# Altium PCB UHF Transceiver PCB.PcbDoc (part 1 of 5) (continued)
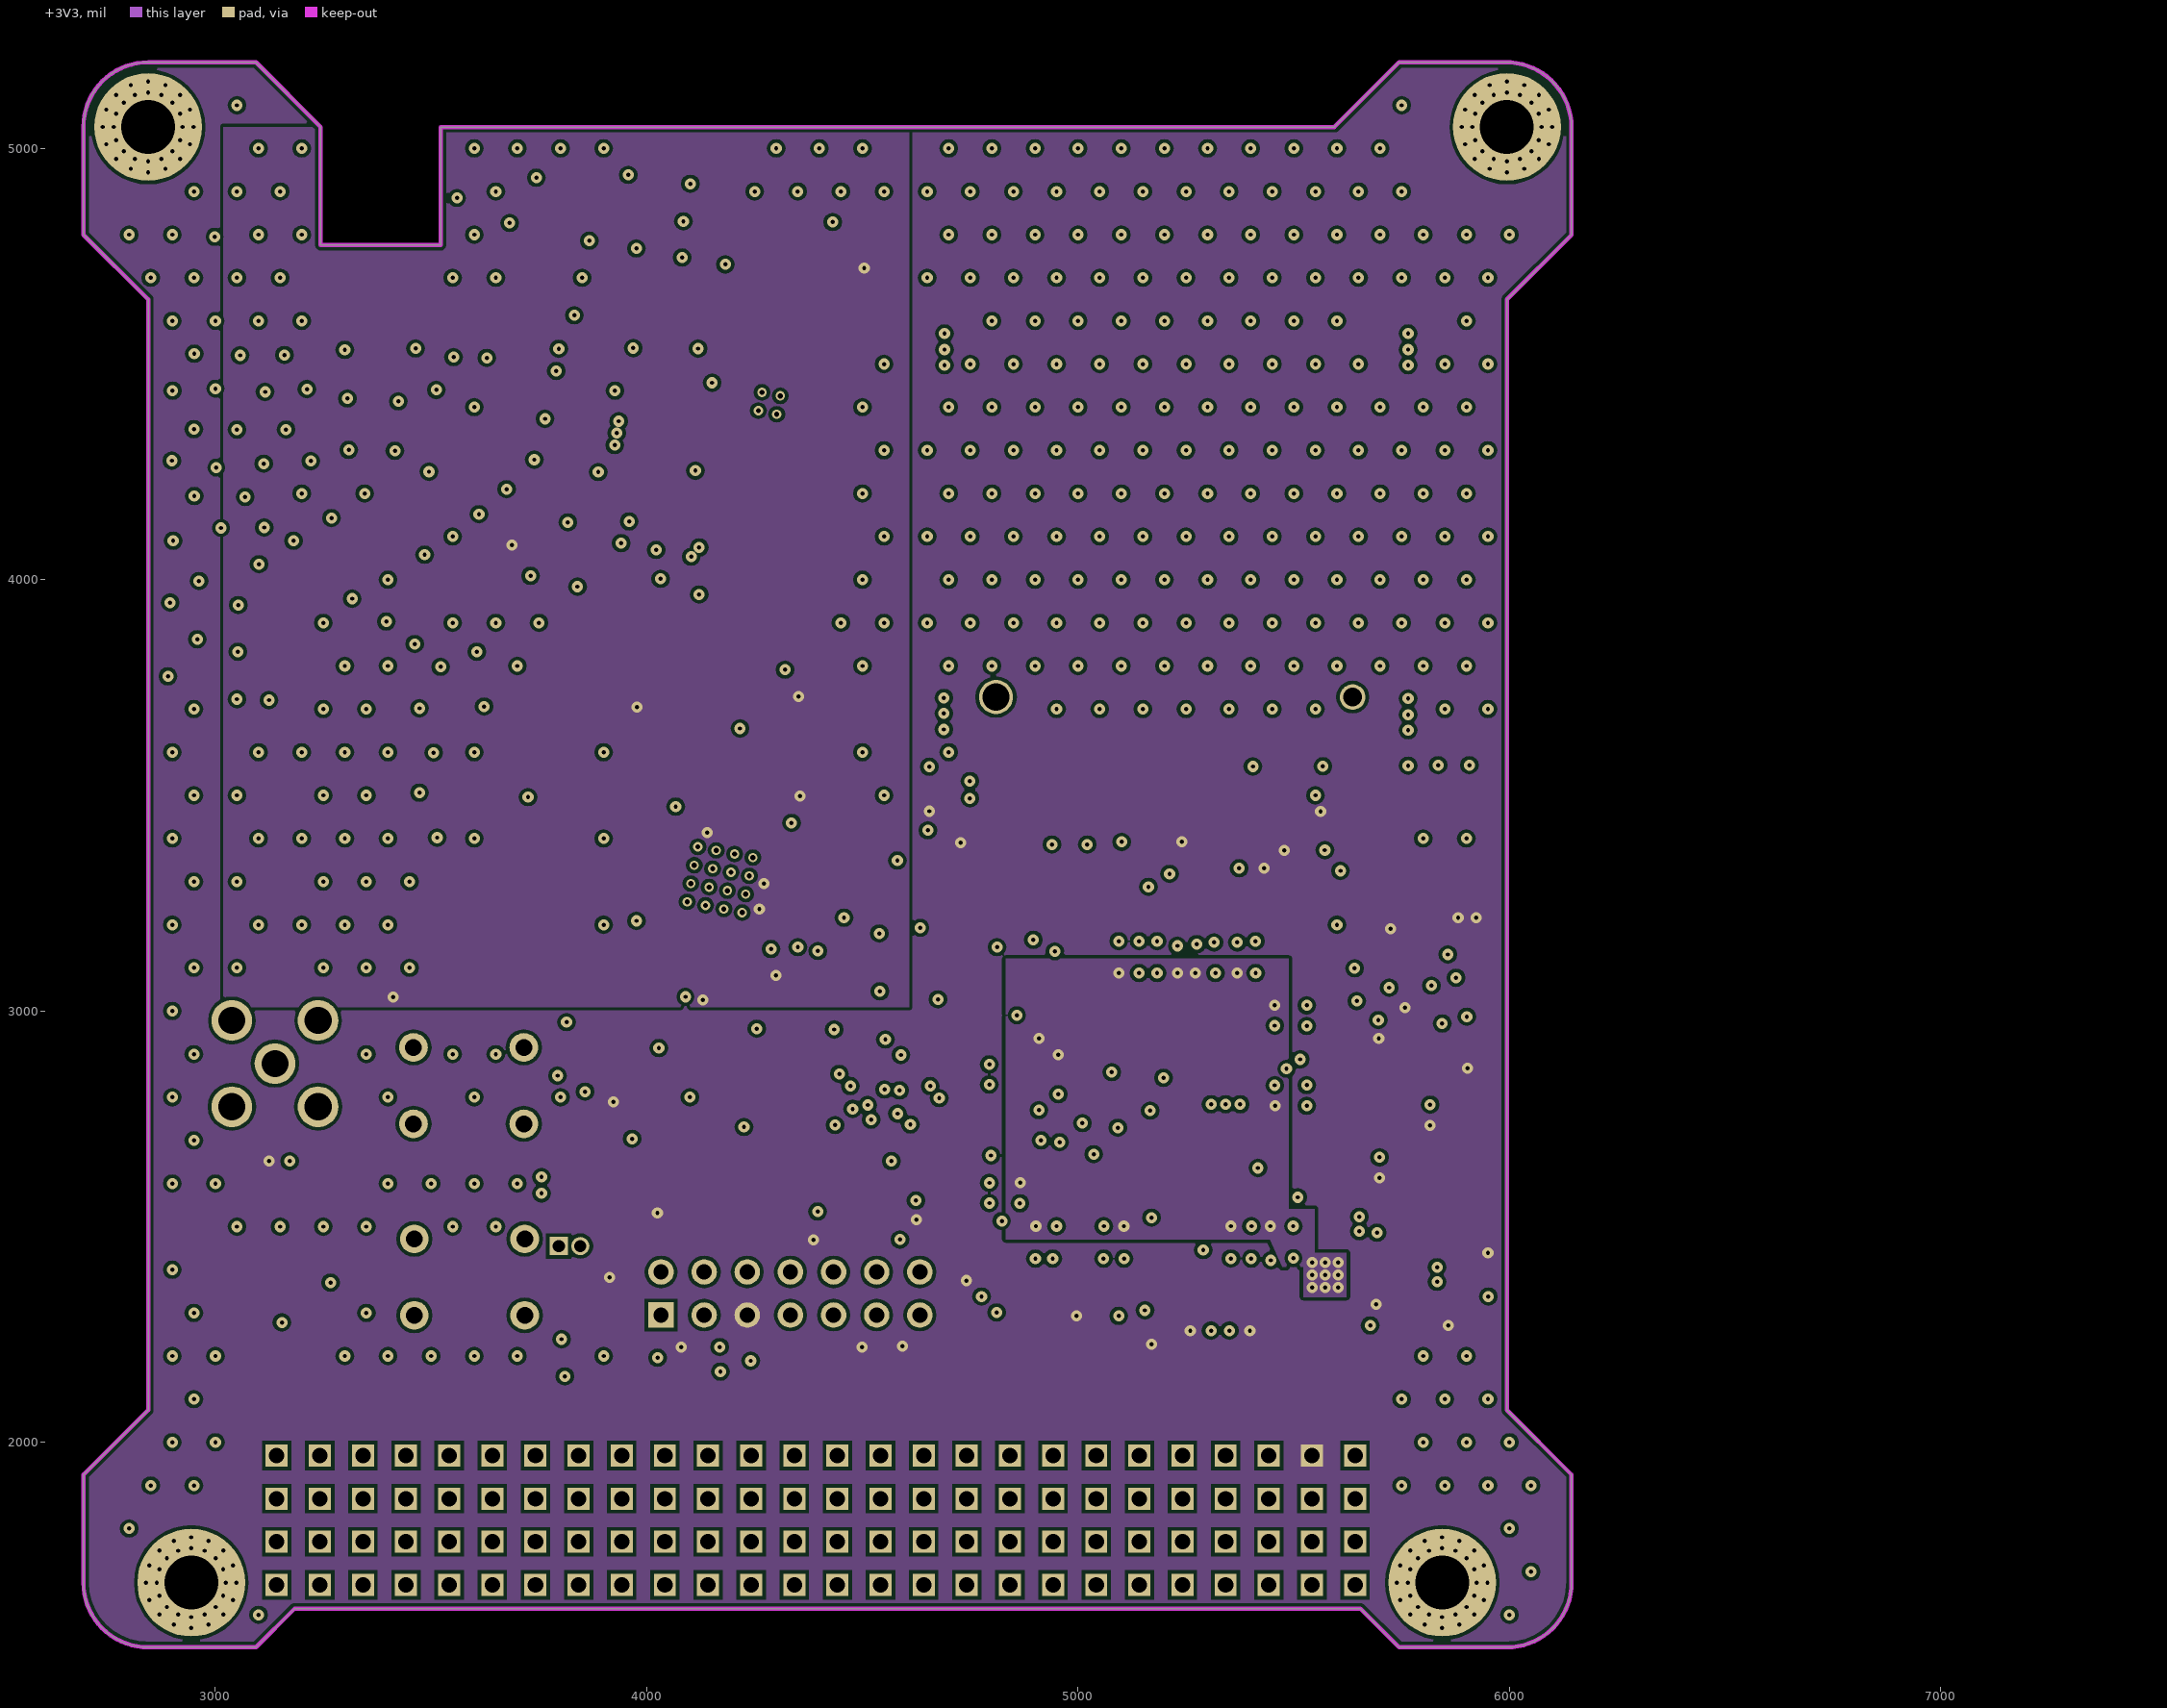
[diagram p3: +3V3]
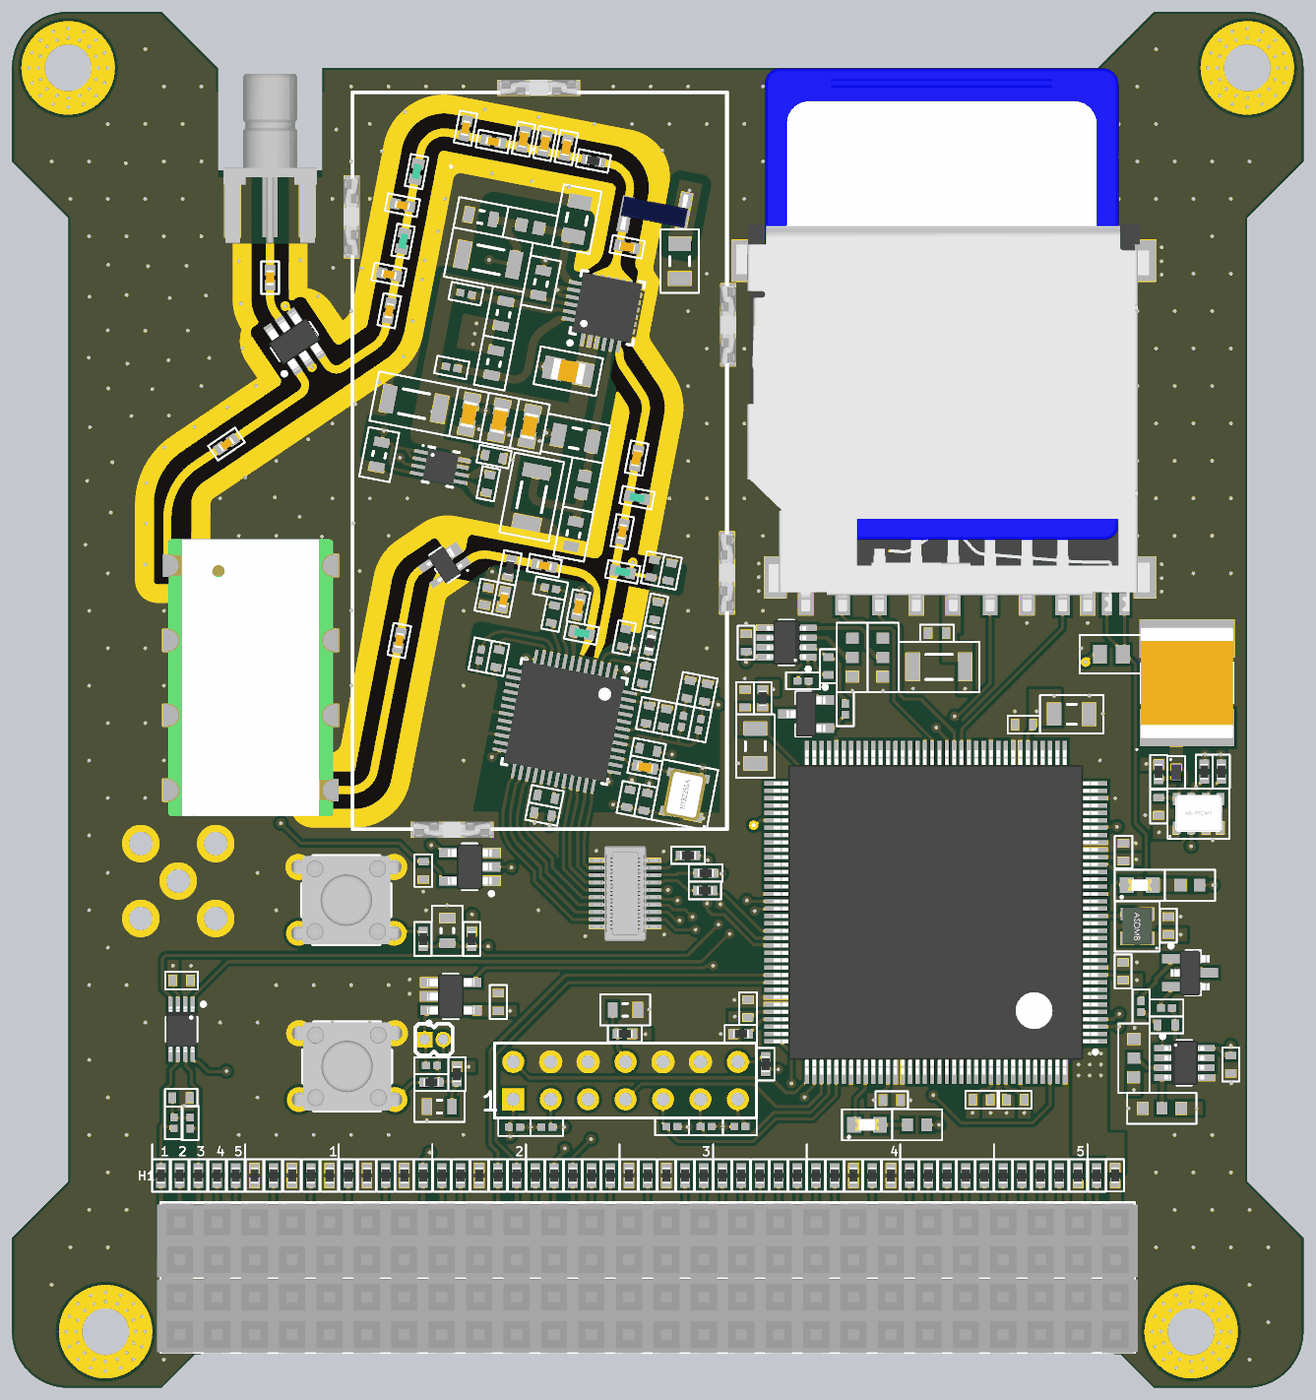
[diagram p8: 3D render of the assembled board from above, using the file's embedded part models]
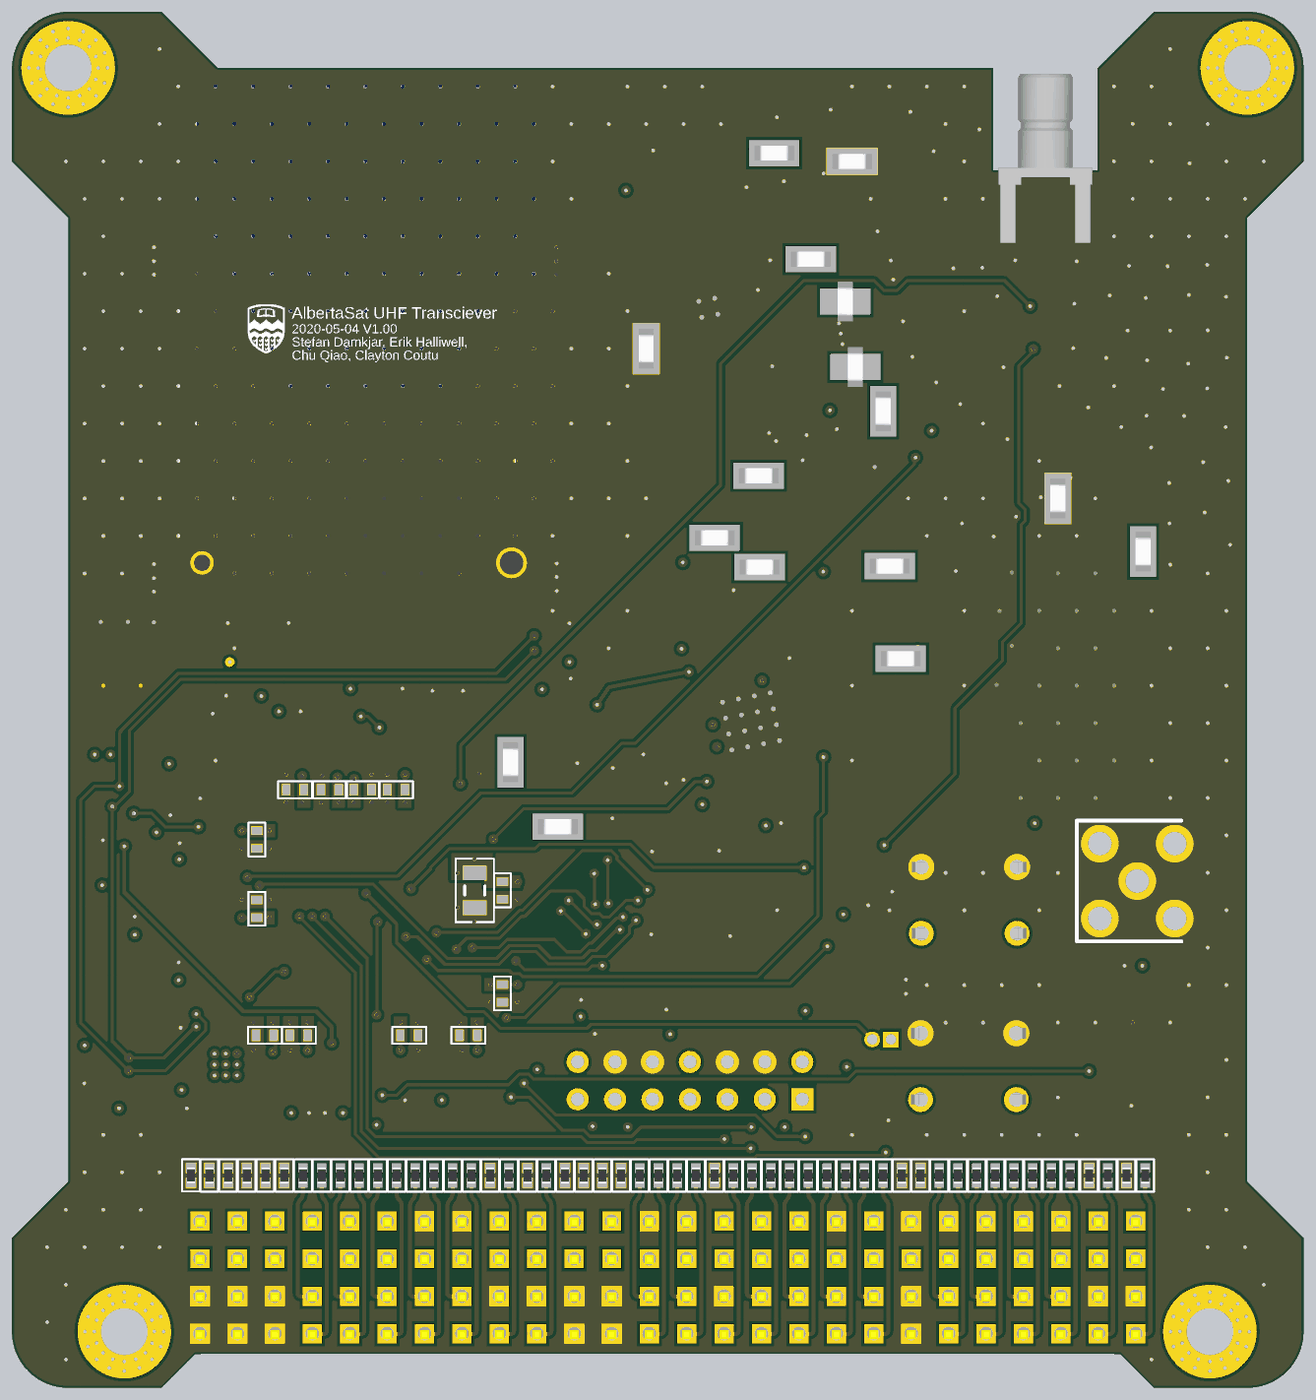
[diagram p9: 3D render of the assembled board from below, using the file's embedded part models]

## Layer stack, top to bottom
Top Solder: solder mask 0.4, Solder Resist, Dk 3.5
Component Side: signal copper 1.3778
Dielectric 1: prepreg 14.1728, FR4, Dk 4.6
GND: plane copper 1.4173, net GND
Dielectric 2: prepreg 27.9528, FR4, Dk 4.6
+3V3: signal copper 1.3778
Dielectric 3: prepreg 14.1728, FR4, Dk 4.6
Solder Side: signal copper 1.3778
Bottom Solder: solder mask 0.4, Solder Resist, Dk 3.5

## Board outline
2693.98,1674.7 ccw(c2843.98,1674.7) 2843.98,1524.7 3093.98,1524.7 3183.98,1614.7 5653.98,1614.7 5743.98,1524.7 5993.98,1524.7 ccw(c5993.98,1674.7) 6143.98,1674.7 6143.98,1924.7 5993.98,2074.7 5993.98,4649.7 6143.98,4799.7 6143.98,5050.16 ccw(c5992.09,5047.82) 5989.75,5199.7 5743.98,5199.7 5593.98,5049.7 3522.42,5049.7 3522.42,4776 3243.98,4776 3243.98,5049.7 3093.98,5199.7 2843.98,5199.7 ccw(c2843.98,5049.7) 2693.98,5049.7 2693.98,4799.7 2843.98,4649.7 2843.98,2074.7 2693.98,1924.7

## Design rules (kind name [scope] priority, off if disabled: settings)
AcuteAngle [All] p1: minimum=6.00000000000000E+0001 checktracksonly=FALSE
BoardOutlineClearance [All] p1: gap=0 ignorepadtopadclearanceinfootprint=FALSE
Clearance dicks [OnLayer('Keep-Out Layer') vs InNet('GND')] p1: gap=0 ignorepadtopadclearanceinfootprint=FALSE
Clearance [All] p2: gap=8 ignorepadtopadclearanceinfootprint=FALSE
ComponentClearance [All] p1: gap=0 collisioncheckmode=3 verticalgap=0 showdistances=FALSE
Height HeightTop [OnLayer('Component Side')] p1: minheight=0 maxheight=275.59 prefheight=157.48
Height HeightBottom [OnLayer('Solder Side')] p2: minheight=0 maxheight=157.48 prefheight=157.48
HoleSize [All] p1: absolutevalues=TRUE maxlimit=255.91 minlimit=7.87 maxpercent=80.000 minpercent=20.000
MaxMinImpedance "Schematic Impedance Constraint_1" [InNetClass('RF')] p1: minimum=50.00 maximum=50.00
MinimumAnnularRing [All] p1: minimumring=4
MinimumSolderMaskSliver [All] p1: minsoldermaskwidth=3.94
PlaneClearance [All] p1: clearance=10
PlaneConnect [All] p1: planeconnectstyle=Direct reliefexpansion=20 reliefentries=4 reliefconductorwidth=10 reliefairgap=10
PolygonConnect PolygonConnect_1 [IsVia] p1: connectstyle=Direct reliefconductorwidth=10 reliefentries=4 polygonreliefangle="90 Angle" airgapwidth=10
PolygonConnect [All] p2: connectstyle=Direct reliefconductorwidth=10 reliefentries=4 polygonreliefangle="90 Angle" airgapwidth=10
RoutingVias [All] p1: holewidth=9.84 width=25.84 viastyle="Through Hole" minholewidth=9.84 minwidth=25.78 maxholewidth=9.84 maxwidth=25.84
SMDEntry [All] p1: side=TRUE corner=FALSE anyangle=FALSE
SMDNeckDown [All] p1: percent=90.000
SMDToCorner [All] p1: distance=0
SMDToPlane [All] p1: distance=0
SilkToSilkClearance [All] p1: silktosilkclearance=6
SilkToSolderMaskClearance [IsPad] p1: minsilkscreentomaskgap=5.12 clearancetoexposedcopper=TRUE
SolderMaskExpansion [All] p1: expansion=1.5
UnConnectedPin [All] p1:
Width [All] p1: maxlimit=100 minlimit=8 preferedwidth=10 minimp=50.000000 maximp=50.000000 favimp=50.000000 checkconnectedcopper=TRUE
22 further rules are at their usual default settings.

## Classes and differential pairs
net class POWER[1..24]: POWER1 POWER2 POWER3 POWER4 POWER5 POWER6 POWER7 POWER8 POWER9 POWER10 POWER11 POWER12 POWER13 POWER14 POWER15 POWER16 POWER17 POWER18 POWER19 POWER20 POWER21 POWER22 POWER23 POWER24
net class N2HET2_[0..18]: N2HET2_1 N2HET2_2 N2HET2_3 N2HET2_5 N2HET2_7 N2HET2_9 N2HET2_11 N2HET2_13 N2HET2_15 N2HET2_17
net class N2HET1_[0..31]: N2HET1_0 N2HET1_1 N2HET1_2 N2HET1_3 N2HET1_4 N2HET1_5 N2HET1_6 N2HET1_7 N2HET1_8 N2HET1_9 N2HET1_10 N2HET1_11 N2HET1_12 N2HET1_13 N2HET1_14 N2HET1_16 N2HET1_17 N2HET1_18 N2HET1_19 N2HET1_20 N2HET1_21 N2HET1_22 N2HET1_24 N2HET1_25 N2HET1_26 N2HET1_27 N2HET1_28 N2HET1_29 N2HET1_30 N2HET1_31
net class GIOB[0..3]: GIOB0 GIOB1 GIOB2 GIOB3
net class GIOA[0..7]: GIOA0 GIOA1 GIOA2 GIOA3 GIOA4 GIOA5 GIOA6 GIOA7
net class ECAP[0..6]: ECAP0 ECAP1 ECAP2 ECAP3 ECAP4 ECAP5 ECAP6
net class AD1IN[0..23]: AD1IN0 AD1IN1 AD1IN2 AD1IN3 AD1IN4 AD1IN5 AD1IN6 AD1IN7 AD1IN8 AD1IN9 AD1IN10 AD1IN11 AD1IN12 AD1IN13 AD1IN14 AD1IN15 AD1IN16 AD1IN17 AD1IN18 AD1IN19 AD1IN20 AD1IN21 AD1IN22 AD1IN23
component class U_Miscellaneous: C64 C65 C66 C67 D3 P3 P4 R24 R25 R26 R27 R28 R29 R30 R31 R32 R33 R34 R35 R36 S1 S2 U13
component class "U_MicroSD SPI Interface": C62 C63 R12 U12
component class U_TMS570LS0914_all: C68 C69 C70 C71 C72 C73 C74 C75 C76 C77 C78 C79 C80 C81 C82 C83 C84 C85 C86 C87 C88 C89 C90 C91 L8 TP15 TP16 U14 U15
net class RF: NetC17_2 NetC40_2 NetC41_2 NetC44_1 NetC44_2 NetC52_2 NetC53_1 NetC53_2 NetC54_1 NetC54_2 NetC55_1 NetC55_2 NetC56_2 NetC57_1 NetC58_1 NetC58_2 NetC60_2
net class GPIO[0..28]: GPIO0 GPIO1 GPIO2 GPIO3 GPIO4 GPIO5 GPIO6 GPIO7 GPIO8 GPIO9 GPIO10 GPIO11 GPIO12 GPIO13 GPIO14 GPIO15 GPIO16 GPIO17 GPIO18 GPIO19 GPIO20 GPIO21 GPIO22 GPIO23 GPIO24 GPIO25 GPIO26 GPIO27 GPIO28
component class "U_Stack Header": H1 H2
component class "U_RTCMK RTC": C45 C46 D1 R18 U6
component class "U_RF6886 Amplifier": C22 C23 C24 C25 C26 C27 C28 C29 C30 C31 C32 C33 C34 C35 C36 C37 C38 C39 C40 C41 C42 C43 C44 L3 L4 R13 R14 R15 R16 R17 TP1 TP2 TP3 TP4 TP5 U4 U5
component class "U_MAX33053E CANbus Transciever": C19 C20 R8 R11 U3
component class "U_ADF7021 Transceiver": C1 C2 C3 C4 C5 C6 C7 C8 C9 C10 C11 C12 C13 C14 C15 C16 C17 C18 L1 L2 P1 R1 R2 R3 R4 R5 R6 R7 R9 R10 U1 U2
component class "UHF Transceiver Schematic": C49 C50 C51 C52 C53 C54 C55 C56 C57 C58 C59 C60 C61 D2 L5 L6 L7 MP1 P2 R21 R22 R23 TP6 TP7 TP8 TP9 TP10 TP11 TP12 TP13 TP14 U8 U9 U10 U11 U?
channel class "TMP421 Temperature Sensor": 3 4 5 6 TMP421TemperatureSensor1 TMP421TemperatureSensor2
component class TMP421TemperatureSensor2: C47_TMP421TemperatureSensor2 C48_TMP421TemperatureSensor2 J1_TMP421TemperatureSensor2 J2_TMP421TemperatureSensor2 Q1_TMP421TemperatureSensor2 R19_TMP421TemperatureSensor2 R20_TMP421TemperatureSensor2 U2_TMP4212 U7_TMP421TemperatureSensor2
component class TMP421TemperatureSensor1: C47_TMP421TemperatureSensor1 C48_TMP421TemperatureSensor1 J1_TMP421TemperatureSensor1 J2_TMP421TemperatureSensor1 Q1_TMP421TemperatureSensor1 R19_TMP421TemperatureSensor1 R20_TMP421TemperatureSensor1 U2_TMP4211 U7_TMP421TemperatureSensor1

## Components (designator, comment, footprint, x,y, rotation, side; value= is the part's Value field where it differs from the comment)
C1 "Cap" TDK-CGA2B 4547.7,3380.56 r79 top value=100pF
C2 "Cap" TDK-CGA2B 4501.33,3389.57 r79 top value=100pF
C3 "Cap" TDK-CGA2B 4438.42,3313.56 r79 top value=100pF
C4 "Cap" ATC-600L 4384.82,3182.23 r349 top value=22pF
C5 "Cap" TDK-CGA2B 4392.05,3322.58 r259 top value=10000pF
C6 "Cap" TDK-CGA2B 4386.82,3089.36 r259 top value=10000pF
C7 "Cap" TDK-CGA2B 4340.44,3098.37 r259 top value=0.1µF
C8 "Cap" TDK-CGA2B 4393.84,3228.61 r349 top value=0.1µF
C9 "Cap" TDK-CGA2B 4382.37,3429.03 r259 top value=0.022µF
C10 "Cap" TDK-CGA2B 4415.43,3599.07 r79 top value=0.1µF
C11 "Cap" TDK-CGA2B 4451.77,3703.26 r259 top value=10000pF
C12 "Cap" TDK-CGA2B 4405.39,3712.28 r259 top value=220pF
C13 "Cap" TDK-CGA2B 4329.34,3527.57 r259 top value=10000pF
C14 "Cap" TDK-CGA2B 4121,3103 r169 top value=0.1µF
C15 "Cap" TDK-CGA2B 4112,3057 r349 top value=10000pF
C16 "Cap" TDK-CGA2B 4139.15,3590.53 r259 top value=10000pF
C17 "Cap" ATC-600L 4207.35,3610.12 r259 top value=6.8pF
C18 "Cap" TDK-CGA2B 3991.21,3472.47 r259 top value=0.1µF
C19 "Cap" TDK-CGA2B 3146,2299 r180 top value=47pF
C20 "Cap" TDK-CGA2B 3147.09,2612.74 r0 top value=0.1µF
C22 "Cap" TDK-CGA5L 3768,4152.75 r169 top value=10µF
C23 "Cap" TDK-CGA2B 3981.61,4011.32 r169 top value=0.1µF
C24 "Cap" TDK-CGA3E 3674.87,4017 r79 top value=1µF
C25 "Cap" TDK-CGA2B 3966.15,3939.14 r79 top value=220pF
C26 "Cap" ATC-600S 4077.17,4092.65 r79 top value=1.2pF
C27 "Cap" TDK-CGA5L 3966.77,4537.35 r169 top value=10µF
C28 "Cap" TDK-CGA3E 3981.39,4261.78 r79 top value=1µF
C29 "Cap" ATC-600S 3914.86,4124.2 r79 top value=27pF
C30 "Cap" TDK-CGA3E 3946.85,4651.52 r349 top value=1µF
C31 "Cap" TDK-CGA5L 4082.17,3903.3 r79 top value=10µF
C32 "Cap" TDK-CGA3E 4006.93,4393.18 r259 top value=1µF
C33 "Cap" ATC-600S 3996.02,4108.43 r79 top value=10pF
C34 "Cap" TDK-CGA3E 4107.13,4475.36 r79 top value=1µF
C35 "Cap" TDK-CGA4J 4202.45,4645.95 r259 top value=2.2µF
C36 "Cap" TDK-CGA3E 4193.66,3804.72 r259 top value=1µF
C37 "Cap" TDK-CGA4J 4477.83,4533.53 r90 top value=2.2µF
C38 "Cap" ATC-600F 4179.95,4239.66 r349 top value=220pF
C39 "Cap" TDK-CGA4J 4199.23,4060.32 r169 top value=2.2µF
C40 "Cap" ATC-600L 4337.38,4571.9 r169 top value=10pF
C41 "Cap" ATC-600L 4174.73,4837.04 r259 top value=27pF
C42 "Cap" ATC-600L 4060.58,4859.23 r259 top value=10pF
C43 "Cap" ATC-600L 4117.66,4848.14 r259 top value=1.2pF
C44 "Cap" ATC-600L 4362.54,4007.48 r79 top value=22pF
C45 "Cap Pol1" AVX-F722824M 5833,3407 r90 top value=1000uF
C46 "Cap" TDK-CGA2B 5757,3077 r270 top value=0.1µF
C47_TMP421TemperatureSensor1 "Cap" TDK-CGA2B 5777.8,2493.72 r180 top value=100pF (schematic designator C47)
C47_TMP421TemperatureSensor2 "Cap" TDK-CGA2B 4875,3452.21 r270 top value=100pF (schematic designator C47)
C48_TMP421TemperatureSensor1 "Cap" TDK-CGA2B 5950,2388 r270 top value=0.1µF (schematic designator C48)
C48_TMP421TemperatureSensor2 "Cap" TDK-CGA2B 4655,3514.72 r90 top value=0.1µF (schematic designator C48)
C49 "Cap" TDK-CGA2B 3793,2906 r270 top value=0.1µF
C50 "Cap" KEM-CBR04 4007.22,3629.48 r79 top value=100pF
C51 "Cap" TDK-CGA2B 3960.85,3638.5 r259 top value=0.1µF
C52 "Cap" KEM-CBR04 4115.87,3720.46 r349 top value=100pF
C53 "Cap" KEM-CBR04 3728.53,3520.45 r79 top value=100pF
C54 "Cap" KEM-CBR04 3267,4045 r214 top value=100pF
C55 "Cap" KEM-CBR04 3383.2,4489.48 r270 top value=100pF
C56 "Cap" KEM-CBR04 4324.37,3811.09 r259 top value=100pF
C57 "Cap" KEM-CBR04 3979.74,4853.29 r349 top value=100pF
C58 "Cap" KEM-CBR04 3701.72,4401.25 r79 top value=100pF
C59 "Cap" KEM-CBR04 3905.67,4888.8 r259 top value=1.9pF
C60 "Cap" KEM-CBR04 3736.88,4683.23 r349 top value=6.4pF
C61 "Cap" KEM-CBR04 3700.94,4498.34 r349 top value=4.9pF
C62 "Cap" TDK-CGA2B 5165,3540 r180 top value=0.1µF
C63 "Cap" TDK-CGA5L 5170.28,3449.79 r180 top value=10µF
C64 "Cap" TDK-CGA2B 3993,2555 r90 top value=0.1µF
C65 "Cap" TDK-CGA3E 3856.81,2745.38 r270 top value=1µF
C66 "Cap" TDK-CGA3E 3836,2275.8 r0 top value=1µF
C67 "Cap" TDK-CGA3E 4332,2534 r180 top value=1µF
C68 "Cap" TDK-CGA2B 4834,2853 r90 bottom value=0.1µF
C69 "Cap" TDK-CGA2B 5388,3122 r180 bottom value=0.1µF
C70 "Cap" TDK-CGA2B 5490,2804.05 r270 bottom value=0.1µF
C71 "Cap" TDK-CGA2B 5118,3122 r180 bottom value=0.1µF
C72 "Cap" TDK-CGA2B 4925,2466 r180 bottom value=0.1µF
C73 "Cap" TDK-CGA2B 4834,2578 r90 bottom value=0.1µF
C74 "Cap" TDK-CGA2B 5207,3122 r0 bottom value=0.1µF
C75 "Cap" TDK-CGA2B 5468.55,2466 r180 bottom value=0.1µF
C76 "Cap" TDK-CGA2B 5295,3122 r180 bottom value=0.1µF
C77 "Cap" TDK-CGA2B 5490,2989 r90 bottom value=0.1µF
C78 "Cap" TDK-CGA2B 5083,2466 r0 bottom value=0.1µF
C79 "Cap" TDK-CGA2B 5378,2466 r180 bottom value=0.1µF
C80 "Cap" TDK-CGA4J 4908,2853 r90 bottom value=4.7µF
C81 "Cap" TDK-CGA2B 5783,2759 r270 top value=10000pF
C82 "Cap" TDK-CGA2B 5662,2637 r270 top value=0.1µF
C83 "Cap" TDK-CGA2B 5044,2293 r180 top value=0.1µF
C84 "Cap" TDK-CGA2B 5663,2955.49 r270 top value=0.1µF
C85 "Cap" TDK-CGA2B 5397,3296 r0 top value=0.1µF
C86 "Cap" TDK-CGA2B 4660,2537 r270 top value=0.1µF
C87 "Cap" TDK-CGA2B 5284,2294 r180 top value=0.1µF
C88 "Cap" TDK-CGA2B 5374.38,2294 r0 top value=0.1µF
C89 "Cap" TDK-CGA4J 5524.95,3323.56 r180 top value=4.7µF
C90 "Cap" TDK-CGA2B 4652.06,3366.23 r270 top value=0.1µF
C91 "Cap" TDK-CGA4J 4679.62,3238.28 r90 top value=4.7µF
D1 "SBRT05" DIOD-X2-DFN1006-2 5804,3168 r90 top
D2 "LED" WL-150060XS75000 5706.45,2867 r180 top value=YELLOW
D3 "LED" WL-150060XS75000 4978,2227 r180 top value=YELLOW
Designator1 "Comment" HWN-S1721-46R 4603.97,3701 r270 top
Designator2 "Comment" HWN-S1721-46R 4607,4363.59 r270 top
Designator3 "Comment" SMA-J-P-H-RA-TH1 3138,2878 r270 bottom
Designator4 "Comment" HWN-S1721-46R 4101,4996.53 r0 top
Designator5 "Comment" HWN-S1721-46R 3601,4652.06 r90 top
Designator7 "Comment" HWN-S1721-46R 3869.46,3015.12 r180 top
H1 "SSW-126-23-G-D" SSW-126-23-G-D 4471.92,2174.38 r90 top
H2 "SSW-126-23-G-D" SSW-126-23-G-D 4471.92,1974.38 r90 top
J1_TMP421TemperatureSensor1 "3-pin jumper" "PANA-ERJ3EK(3-pin jumper)" 5691,2405 r270 top (schematic designator J1)
J1_TMP421TemperatureSensor2 "3-pin jumper" "PANA-ERJ3EK(3-pin jumper)" 4939,3475.38 r90 top (schematic designator J1)
J2_TMP421TemperatureSensor1 "3-pin jumper" "PANA-ERJ3EK(3-pin jumper)" 5765.82,2271 r0 top (schematic designator J2)
J2_TMP421TemperatureSensor2 "3-pin jumper" "PANA-ERJ3EK(3-pin jumper)" 5020.68,3475.38 r90 top (schematic designator J2)
L1 "0402CS-13NXJLU" CCI-0402CS 4325.37,3703.77 r349 top value="13 nH"
L2 "0402CS-27NXJLU" CCI-0402CS 4215.64,3540.33 r349 top value="27 nH"
L3 "2 % tolerence" 1606-10GLC 4683.01,4583.81 r169 top value="12.55 nH"
L4 "0402CS-8N2XGLW" CCI-0402CS 4363.86,3901.82 r169 top value="8.2 nH"
L5 "MLF1005VR10JTD25" TDK-MLF1005 4023.75,3714.51 r79 top value=100nH
L6 "LQW15AN12NG8ZD" MUR-LQW15A 3774.74,4772.81 r259 top value=12nH
L7 "LQW15AN16NG8ZD" MUR-LQW15A 3738.62,4586.96 r259 top value=16nH
L8 "Inductor" TDK-MMZ1005 4698.98,3366.29 r270 top value="220 Ohms @ 100MHz"
P1 "Header 10X2" MOLX-0555600207 4332,2844.63 r90 top
P2 "903-518J-51P" AMP-903-518J-51P 3383.2,4757.68 r270 top
P3 "Header 2" SLN-GRPB021 3796,2455 r0 top
P4 "Header 7x2" HDR2X7 4033,2295 r0 top
Q1_TMP421TemperatureSensor1 "SMMBT3904L" ONS-318-08#1 5841,2633 r0 top (schematic designator Q1)
Q1_TMP421TemperatureSensor2 "SMMBT3904L" ONS-318-08#2 4815,3324 r180 top (schematic designator Q1)
R1 "Res3" PANA-ERA2A#1 4531.18,3295.54 r79 top value=560
R2 "Res3" PANA-ERA2A#1 4484.8,3304.55 r79 top value=270
R3 "Res3" VSH-CRCW0402 4398.9,3514.05 r259 top value=3.9
R4 "Res3" PANA-ERJ2R 4641,2469.58 r180 top value=100k
R5 "Jumper" PANA-ERJ2G 4500,2946.63 r180 top value=0
R6 "Jumper" PANA-ERJ2G 4547,2899.31 r0 top value=0
R7 "Jumper" PANA-ERJ2G 4545.02,2853 r180 top value=0
R8 "Res3" PANA-ERA2A#2 3169.62,2232 r90 top value=60.4
R9 "Res3" PANA-ERA2A#1 4132.6,3659.99 r349 top value=1.1k
R10 "Res3" PANA-ERA2A#1 3944.83,3481.48 r79 top value=3.6k
R11 "Res3" PANA-ERA2A#3 3126,2232 r270 top value=60.4
R12 "Res3" PANA-ERJ6EN 5631,3484 r180 top value=1M
R13 "Res3" PANA-ERA2A#1 3868.72,4249.59 r169 top value=390
R14 "Res3" PANA-ERA2A#3 3907.03,4446.69 r169 top value=390
R15 "Res3" PANA-ERA3A 4078.25,4625.98 r169 top value=220
R16 "Res3" PANA-ERA3A 4219.21,3936.12 r259 top value=220
R17 "Jumper" PANA-ERJ2G 4247.07,4801.32 r169 top value=0
R18 "Res3" PANA-ERJ2R 5757,3169.82 r90 top value=49.9
R19_TMP421TemperatureSensor1 "Res3" PANA-ERA2A#2 5710,2543 r90 top value=49.9 (schematic designator R19)
R19_TMP421TemperatureSensor2 "Res3" PANA-ERA2A#2 4807.07,3412.76 r0 top value=49.9 (schematic designator R19)
R20_TMP421TemperatureSensor1 "Res3" PANA-ERA2A#2 5777.8,2539 r180 top value=49.9 (schematic designator R20)
R20_TMP421TemperatureSensor2 "Res3" PANA-ERA2A#2 4920,3337 r270 top value=49.9 (schematic designator R20)
R21 "Res3" PANA-ERJ2R 5924.18,3170.27 r270 top value=4.7k
R22 "Res3" PANA-ERJ2R 5879.18,3170.09 r270 top value=4.7k
R23 "Res3" PANA-ERJ3EK 5841,2867 r180 top value=1k
R24 "Res3" PANA-ERJ3EK 5112,2227 r180 top value=1k
R25 "Res3" PANA-ERJ2R 3921.81,2723.38 r90 top value=100k
R26 "Res3" PANA-ERJ2R 3882.51,2362.38 r90 top value=100k
R26_1 "Jumper" PANA-ERJ2G 3091.92,2091.76 r270 top value=0
R27 "Res3" PANA-ERJ2R 3791.81,2723.38 r270 top value=100
R27_1 "Jumper" PANA-ERJ2G 3141.92,2091.76 r90 top value=0
R28 "Res3" PANA-ERJ2R 3814.38,2340.38 r0 top value=100
R28_1 "Jumper" PANA-ERJ2G 3191.92,2091.76 r270 top value=0
R29 "DNP" PANA-ERA2A#2 3814.38,2384.97 r180 top
R29_1 "Jumper" PANA-ERJ2G 3241.92,2091.76 r90 top value=0
R30 "DNP" PANA-ERA2A#2 4548,2222 r0 top
R30_1 "Jumper" PANA-ERJ2G 3291.92,2091.76 r270 top value=0
R31 "DNP" PANA-ERA2A#2 4457,2222 r0 top